# KiCad board Lime_RFE.kicad_pcb (continued)
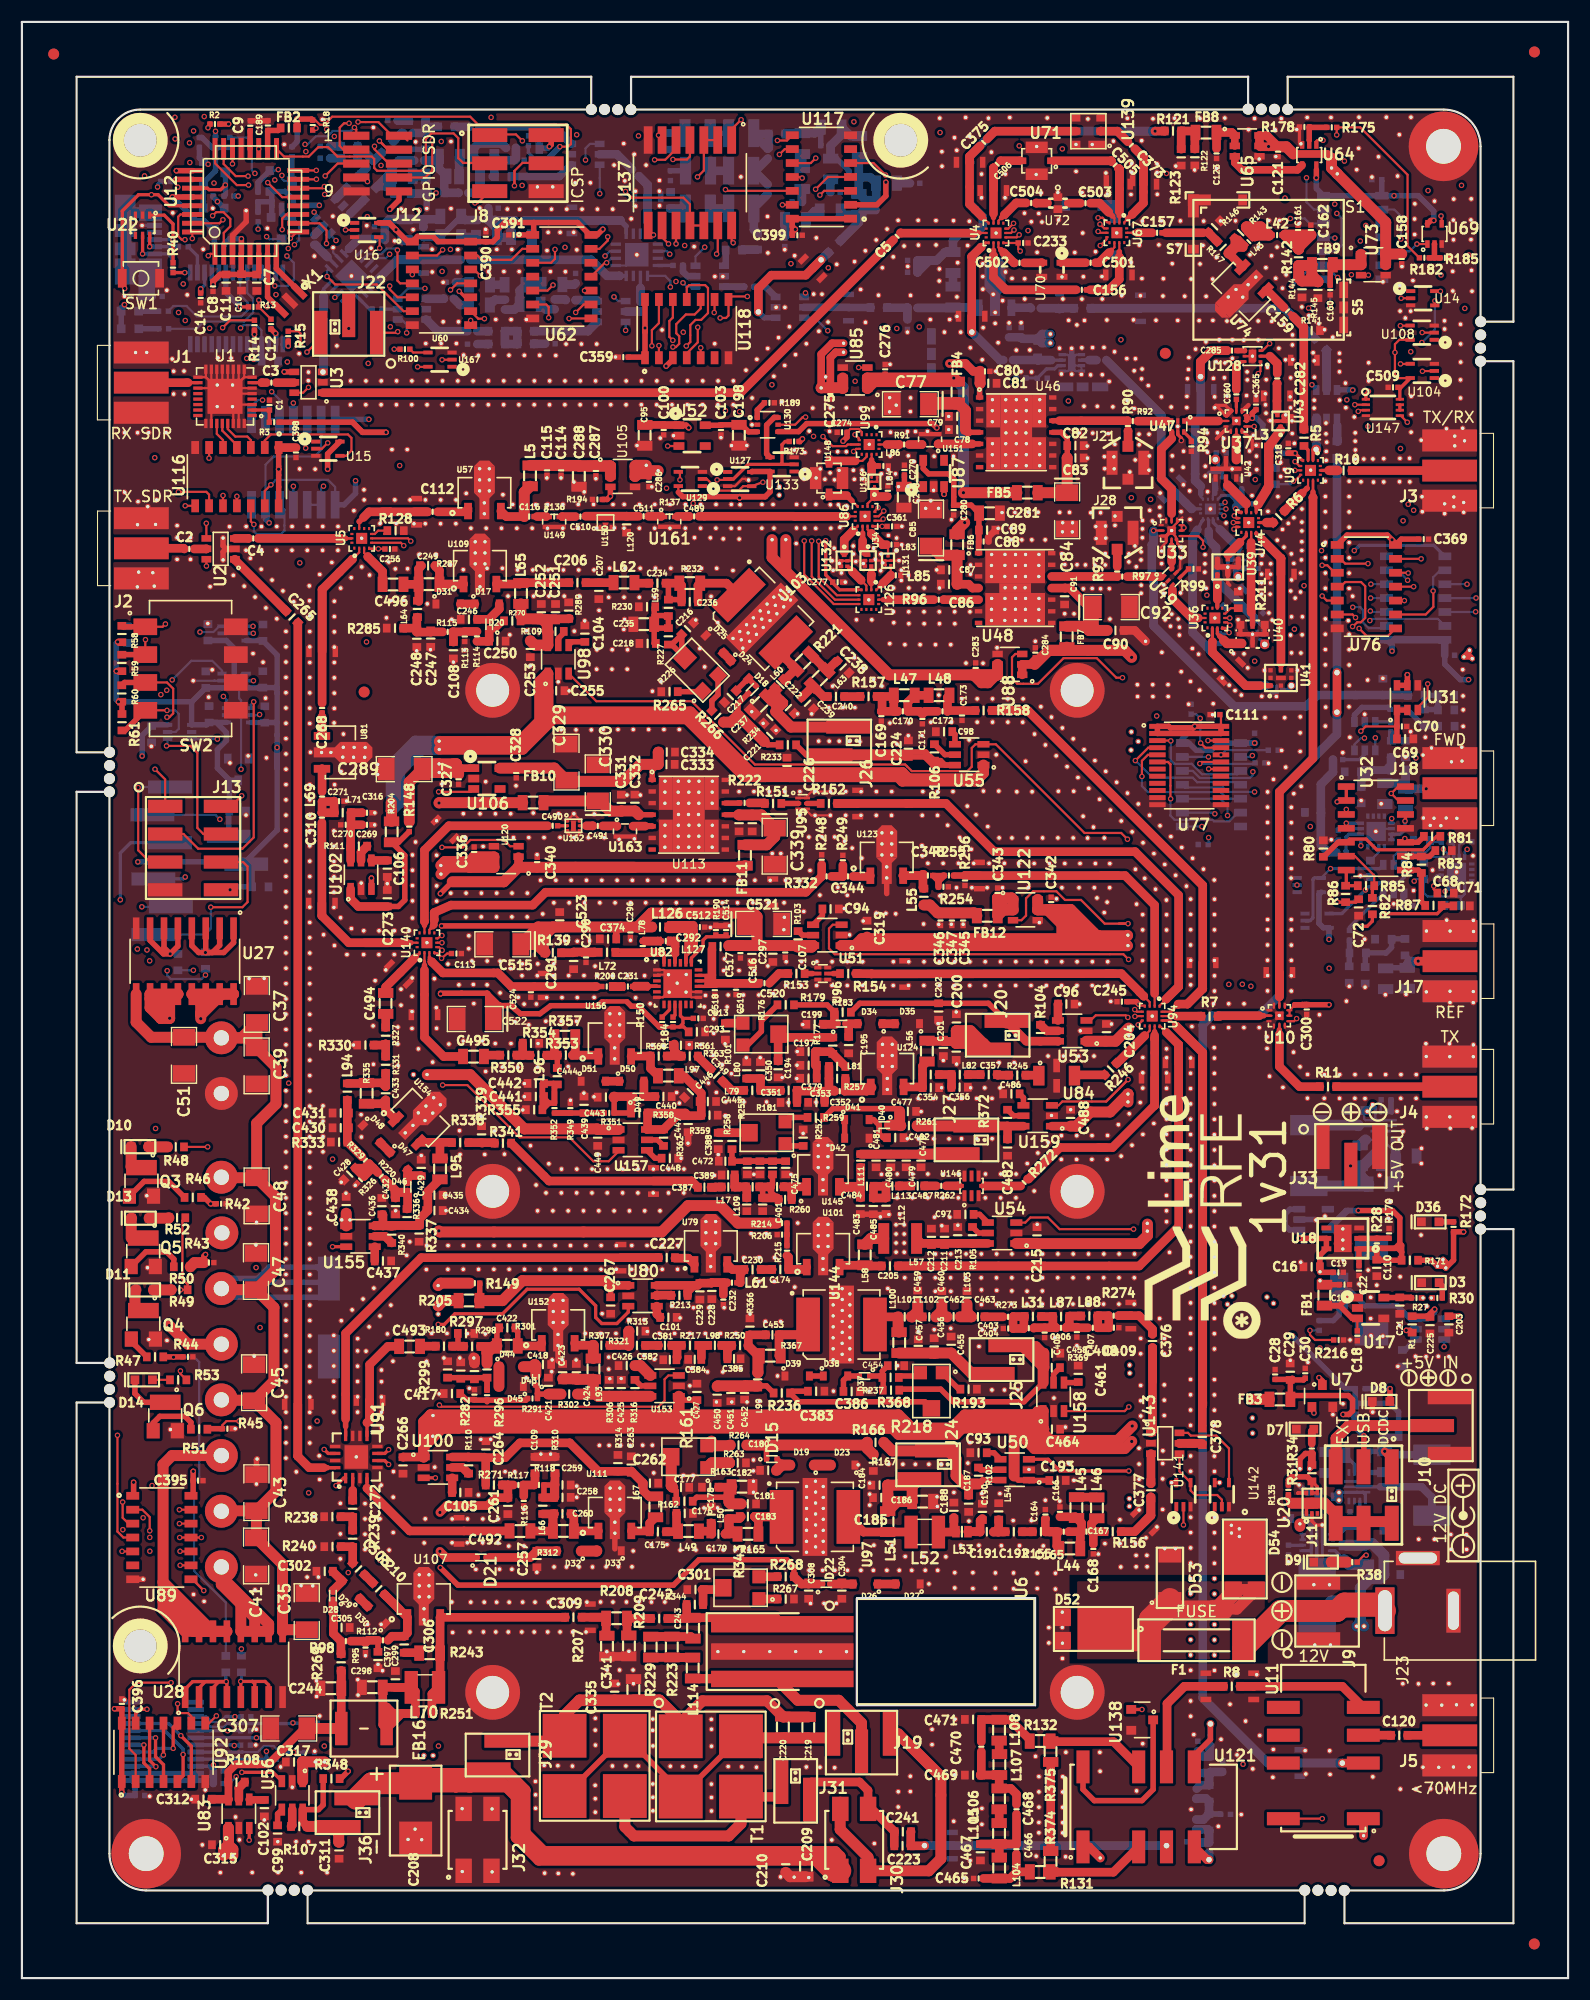
[diagram p0: board, top side]
## Routing (per net, layer and track width the routed paths; a pad name or vN(x,y) marks a point on that pad's centre or on a via; arc(x,y) is an arc through that point) (continued)
/TX_H2/PA_2400_EN_2V5: length 13
  T w0.2: v1(101.61,111.1) 102.78,112.28 U77.4
  B w0.2: v1(101.61,111.1) 103.17,109.55 106.83,109.55 107.25,109.13 110.98,109.13 U75.4
/TX_H2/PA_4000_EN: length 39.9
  T w0.2: 100.78,96.22 100.11,96.22 v1(100.94,96.22) 98.81,96.22 96.65,98.39 95.19,98.39 94.4,99.17 92.28,99.17 91.63,98.53 91.63,96.96 91.21,96.53 U122.3 ; v1(107.49,110.83) 107.64,110.98 U77.19
  SIG1 w0.2: v1(107.49,110.83) 107.49,107.75 102.59,102.85 102.12,102.85 100.94,101.68 v1(100.94,96.22)
  B w0.2: v1(107.49,110.83) 107.52,110.8 112.44,110.8 R164.2
/TX_H2/PA_4000_EN_2V5: length 13.4
  T w0.2: U77.5 102.75,111.63 102.21,111.08 v1(102.21,109.66)
  B w0.2: v1(102.21,109.66) 102.21,108.77 102.75,108.23 109.37,108.23 109.98,107.62 U75.5
/TX_H2/PDRIV30/RF_IN: length 2.1
  T w0.3: U91.2 30.18,45.62 30.18,44.5
  T w0.79: C272.2 30.18,44.5
/TX_H2/PDRIV145/RF_IN: length 15.5
  T w0.3: U91.4 31.49,44.7
  T w0.79: 31.49,44.7 35.38,40.81 C492.1
/TX_H2/PDRIV220/RF_IN: length 11.8
  T w0.3: 31.5,50.7 31.49,50.68 U91.9
  T w0.79: 31.49,50.69 31.73,50.92 ; 31.73,50.92 31.73,55.97 33.4,57.65 C493.1 ; 31.73,50.92 31.73,52.71 P45.2
/TX_H2/PDRIV920/RF_IN: length 5.2
  T w0.2: 36.29,93.43 36.29,93.53 36.12,93.36
  T w0.3: 36.12,93.36 36,93.24
  T w0.5: 35.84,93.08 35.78,93.02 35.78,93.02 36,93.24
  T w0.79: 35.84,93.08 33.2,90.44 C494.1
/TX_H2/PDRIV1000/PRED_VDD: length 17.4
  T w0.5: 53.64,63.21 53.72,63.13 C267.2 ; R205.1 41.78,61.85 R149.2
  T w0.79: 53.64,63.21 U80.1
  T w1: 53.72,63.13 53.21,63.64 45.67,63.64 43.85,61.82 R205.1
/TX_H2/PDRIV1000/RF_IN: length 44.2
  T w0.3: 29.54,50.93 29.54,51.02 ; 29.54,50.33 U91.12
  T w0.5: 29.54,50.93 29.54,50.33
  T w0.79: P2.2 58.09,65.74 C227.2 36.45,65.74 29.54,58.84 29.54,51.02
/TX_H2/PDRIV1280/RF_IN: length 17.6
  T w0.2: 39.13,84.1 C495.1 ; 36.74,92.78 36.74,93.53
  T w0.3: 36.74,92.78 P7.2
  T w0.5: 36.74,92.42 36.74,91.98
  T w0.79: 36.74,91.98 36.74,85.85 38.49,84.1 C495.1
/TX_H2/PDRIV_H_EN: length 98.9
  T w0.5: v1(31.9,100.38) U102.3
  SIG1 w0.2: v1(27.59,21.17) 28.79,22.37 28.79,37.06 30.18,38.45 30.18,43.98 31.34,45.14 31.34,48.9 29.52,50.71 29.52,58.7 31.88,61.06 31.88,62.3 31.55,62.63 31.55,91.37 31.87,91.69 31.87,100.35 v1(31.89,100.38)
  SIG2 w0.2: v1(19.38,21.22) 20,20.6 21.42,20.6 22,21.17 v1(27.59,21.17)
  B w0.2: 19.91,21.22 R174.2
  B w0.3: 15.89,21.29 U78.19 ; U78.19 15.88,21.27 ; U78.19 18.05,21.28 ; U78.19 19.32,21.28 v1(19.38,21.22) 19.42,21.26 R174.2 19.91,21.22
/TX_H2/PDRIV_H_EN_2V5: length 6.8
  T w0.3: 14.19,22.75 U92.10 13.8,22.88 v1(13.8,20.97)
  B w0.3: v1(13.8,20.97) 12.3,20.97 11.96,20.63 U78.5
  B w0.5: 10.07,20.62 U78.5
/TX_H2/PREDRIVER_H/PRED_VDD: length 14.2
  T w0.5: R148.2 34.38,103.65 R204.1 34.94,102.44 34.94,98.37 34.36,97.79 C273.2
  T w0.79: U102.1 30,98.49 30.7,97.79 C273.2
/TX_H2/PREDRIVER_H/RF_OUT: length 26
  T w0.2: 31.31,94.48 36.01,94.48
  T w0.5: 34.69,94.48 35.5,94.48
  T w0.79: 31.31,94.48 33.4,94.48 ; 33.4,94.48 35.09,94.48 ; 33.4,94.48 29.83,94.48 27.37,96.94 ; 27.37,96.94 C310.2 ; 27.37,96.94 27.37,96.94 P112.2
/TX_H2/R_CTRL_2V5: length 96.7
  T w0.3: v1(102.21,24.51) 102.21,24.51 U138.2 ; v1(11.41,24.53) 10.78,24.53 10.38,24.13 U92.13
  T w0.5: U138.2 101.23,24.67
  SIG2 w0.3: v1(11.41,24.53) 20.55,24.53 23.03,22.05 91.68,22.05 92.07,21.67 99.86,21.67 102.21,24.02 v1(102.21,24.51)
/TX_H2/RF_H_IN: length 21.1
  T w0.2: 30.15,129.48 30.78,130.11 30.78,130.43
  T w0.79: 30.15,129.48 30.15,129.47 27.4,126.71 ; 27.4,126.71 27.4,126.71 P109.2 ; 27.4,126.71 C268.1
/TX_H2/RF_IN_435: length 3.9
  T w0.2: 31.57,129.71 31.23,130.05 31.23,130.43
  T w0.79: C496.1 32.91,128.36 31.57,129.71 31.57,129.71
/TX_H2/RF_L_IN: length 93.4
  T w0.1: 26.22,46.58 25.15,47.64 25.15,53.84
  T w0.2: U91.16 27.53,46.58
  T w0.3: 27.87,46.58 U91.16
  T w0.5: 27.53,46.58 27.87,46.58
  T w0.79: 25.18,47.64 25.18,47.62 26.22,46.58 27.53,46.58 ; 25.18,47.64 C265.1 ; 25.18,47.64 25.17,47.64 P110.2
/TX_H2/RF_OUT: length 3.8
  T w0.1: 107.49,87.63 R7.2
  T w0.2: 107.61,87.79 R7.2 ; 104.1,87.79 105.37,87.79
  T w0.79: R7.2 107.61,87.79 105.37,87.79
/TX_H2/RF_OUT_30_70: length 14.6
  T w0.79: 106.08,26.62 104.5,25.04 ; 106.08,26.62 104.5,25.04 ; 106.08,26.62 R8.2 107.98,26.62 ; 104.5,25.04 104.5,20.19
/TX_H2/SW145: length 180.4
  T w0.2: 11.66,40.82 v1(11.66,40.82) 11.66,42.07 10.99,42.74 U89.2 ; v1(106,41.36) U141.2
  SIG1 w0.2: v1(108.28,111.44) 108.59,111.44 109.45,110.58 109.45,86.16 111.03,84.59 111.03,61.28 110.23,60.49 110.23,42.31 109.28,41.36 v1(106,41.36)
  SIG2 w0.2: v1(106,41.36) 104.6,41.36 104.13,41.83 102.87,41.83 100.92,39.87 100.92,39.13 99.63,37.85 56.75,37.85 56.3,38.29 36.9,38.29 35.54,39.65 28.33,39.65 27.17,40.82 v1(11.66,40.82)
  B w0.2: U75.13 105.9,111.44 v1(108.28,111.44)
/TX_H2/SW145_A: length 8.4
  T w0.2: 110.15,45.08 U142.4 110.15,48.34 108.98,49.5 106.66,49.5 106.41,49.76 U143.6
/TX_H2/SW145_B: length 8
  T w0.2: U143.4 105.63,46.24 106.65,45.23 U141.4 ; 106.65,44.89 U141.4 ; U141.4 106.65,44.5 107.06,44.08 109.08,44.08 109.5,43.66 U142.2
/TX_H2/SW_IN_H_V1_2V5: length 121
  T w0.2: v1(38.33,95.14) 37.93,94.88 37.91,94.88 ; v1(14.37,42.74) 14.37,42.74 U89.13 ; v1(13.61,26.96) 10.45,26.96 9.8,26.31 9.8,20.94 10.38,20.36 U92.2
  SIG1 w0.2: v1(13.61,26.96) 13.79,27.14 13.79,31.92 8.65,37.06 8.65,40.92 ; 8.65,40.92 8.65,48.41 9.34,49.1 9.34,50.02 8.86,50.51 8.86,92.23 v1(10.53,93.9) ; 8.65,40.92 9.2,40.92 v1(9.21,40.92)
  SIG2 w0.2: v1(10.53,93.9) 12.39,95.76 29.15,95.76 29.69,96.3 30.54,96.3 30.67,96.18 37.1,96.18 38.14,95.14 v1(38.33,95.14) ; v1(9.21,40.92) 9.21,42.09 9.86,42.74 v1(14.37,42.74)
/TX_H2/SW_IN_H_V2_2V5: length 86.4
  T w0.2: 37.91,94.48 v1(38.33,94.48) ; U89.12 v1(14.37,41.47)
  SIG1 w0.2: v1(11.41,93.82) 11.06,93.47 11.06,73.68 9.95,72.57 9.95,70.08 11.06,68.98 11.06,66.42 10.31,65.66 10.31,56.4 11.06,55.65 11.06,46.23 10.78,45.94 10.78,44.48 11.06,44.2 v1(11.06,42.01)
  SIG2 w0.2: v1(11.41,93.82) 11.78,94.19 27.4,94.19 28.25,95.04 36.13,95.04 36.13,95.04 37.33,95.04 37.88,94.48 v1(38.33,94.48) ; v1(11.06,42.01) 11.6,41.47 v1(14.37,41.47)
/TX_H2/SW_IN_H_V3_2V5: length 105.7
  T w0.2: v1(16.37,40.2) U89.11 v1(14.4,40.2) ; v1(38.35,93.79) 38.06,94.08 37.91,94.08 ; v1(11.66,92.83) 11.66,92.82 11.67,92.81
  SIG1 w0.2: v1(11.66,92.83) 11.63,92.81 11.63,73.28 10.44,72.1 10.44,70.47 11.63,69.28 11.63,66.5 10.84,65.71 10.84,56.58 11.63,55.8 11.63,46.34 11.31,46.02 11.31,44.65 11.63,44.33 11.63,41.53 11.09,40.99 11.09,40.6 11.48,40.21 v1(11.67,40.21)
  SIG2 w0.2: v1(16.38,40.2) 19.06,40.2 21.72,37.54 29.33,37.54 29.93,38.14 v1(32.67,38.14) ; v1(11.67,40.21) 11.68,40.2 v1(14.39,40.2) ; v1(11.66,92.83) 28.3,92.83 29.87,94.4 35.42,94.4 36.03,93.79 v1(38.35,93.79)
  B w0.2: v1(32.67,38.14) 32.65,38.16
/TX_H2/SW_IN_L_V1_2V5: length 24.5
  T w0.2: v1(9.19,43.44) 9.19,42.01 9.72,41.47 U89.3
  T w0.3: v1(28.66,44.94) 29.35,45.63 U91.1
  SIG2 w0.2: v1(9.19,43.44) 10.76,43.44 11.74,44.43 19.55,44.43
  SIG2 w0.3: 19.55,44.43 20.34,43.64 27.36,43.64 v1(28.66,44.94)
/TX_H2/SW_IN_L_V2_2V5: length 39.5
  T w0.2: v1(8.72,49.53) 8.71,49.52 8.71,40.75 9.26,40.2 U89.4
  T w0.3: v1(33.46,46.87) 33.1,47.23 U91.6
  SIG2 w0.2: v1(8.72,49.53) 8.72,49.52 33.27,49.52 34.17,48.63 34.17,47.8 33.46,47.1 v1(33.46,46.87)
/TX_H2/SW_IN_L_V3_2V5: length 35.1
  T w0.2: v1(9.14,38.94) 9.15,38.93 U89.5
  T w0.3: v1(33.46,48.22) 33.12,47.88 U91.7
  SIG2 w0.2: v1(9.14,38.94) 8.92,38.94 8.51,39.36 8.51,43.56 9.4,44.45 10.34,44.45
  SIG2 w0.3: 10.34,44.45 11.43,45.55 19.59,45.55 20.1,46.06 20.1,46.93 21.2,48.03 26.46,48.03 27.25,48.82 28.14,48.82 28.74,48.22 v1(33.46,48.22)
/TX_H2/SW_IN_L_V4_2V5: length 30.3
  T w0.2: v1(14.43,38.95) 14.44,38.93 U89.10 ; v1(11.87,44.95) 11.87,44.95
  T w0.3: v1(27.58,48.24) 27.94,47.88 U91.14
  SIG1 w0.2: v1(11.87,44.95) 12.16,44.66 12.16,39.45 v1(11.67,38.95)
  SIG2 w0.2: 18,45.09 19.94,45.09 21.71,46.86 27.42,46.86 28.09,47.53 28.09,47.89 27.74,48.24 v1(27.58,48.24) ; 18,45.09 17.24,45.09 ; 18,45.09 12.01,45.09 v1(11.87,44.95) ; v1(11.67,38.95) 11.68,38.95 v1(14.43,38.95)
/TX_H2/SW_OUT_V1_2V5: length 40.8
  T w0.2: v1(101.87,87) 102.19,87.32 102.19,87.39 ; v1(112.15,90.51) 112.15,90.51
  SIG1 w0.2: v1(112.33,110.08) 113.16,109.26 113.16,107.79 112.15,106.78 v1(112.15,90.51)
  SIG2 w0.2: v1(112.15,90.51) 110.81,89.17 110.81,88.51 109.84,87.54 104.77,87.54 103.94,86.71 102.48,86.71 102.19,87 v1(101.87,87)
  B w0.2: v1(112.33,110.08) 112.33,109.79 112.06,109.52 107.49,109.52 106.84,110.16 U75.12 106.32,110.16
/TX_H2/SW_OUT_V2_2V5: length 37.3
  T w0.2: v1(101.57,87.76) 101.6,87.79 102.19,87.79
  SIG1 w0.2: v1(112.49,108.24) 111.37,107.13 v1(111.37,90.69)
  SIG2 w0.2: v1(111.37,90.69) 110.16,89.48 108.11,89.48 106.54,87.91 104.24,87.91 103.53,87.2 102.79,87.2 102.23,87.76 v1(101.57,87.76)
  B w0.2: 106.16,108.89 U75.11 106.13,108.66 109.6,108.66 110.02,108.24 v1(112.49,108.24)
/TX_H2/SW_OUT_V3_2V5: length 31
  T w0.2: v1(101.55,88.38) 101.75,88.19 102.19,88.19
  SIG1 w0.2: v1(110.02,106.09) 110.14,105.97 v1(110.14,90.68)
  SIG2 w0.2: v1(110.14,90.68) 108.24,90.68 106.41,88.86 105.46,88.86 104.99,88.38 v1(101.55,88.38)
  B w0.2: v1(110.02,106.09) 110.02,106.96 109.36,107.62 U75.10
/USB_DM: length 2.7
  B w0.3: R39.1 16.02,157.16 U13.16
/USB_DP: length 1.6
  T w0.3: R40.1 v1(14.86,155.63)
  B w0.3: v1(14.86,155.63) 14.87,155.64 U13.15
VCOM: length 135.9
  T w0.5: 23.79,37.76 C41.1 ; C35.1 25.84,31.64 U28.9
  T w1: C48.1 18.25,73.03 J16.8 ; C48.1 23.14,71.32 23.14,64.6 C47.1 ; C48.1 21.42,78.01 23.18,79.77 23.18,83.13 C39.1 ; C47.1 18.3,62.82 J16.6 ; C47.1 23,61.18 23,54.49 C45.1 23.18,50.69 23.18,44.43 C43.1 ; 21.69,52.73 18.23,52.73 J16.4 ; C43.1 18.24,42.64 J16.2 ; C43.1 21.4,40.21 C41.1 23.79,37.76 U28.9 23.93,31.79 C35.1 ; C39.1 21.44,84.92 C37.1 20.04,85.8 J15.2 ; C39.1 20.51,85.8 J15.2 ; J15.2 18.15,85.86 C51.1 11.8,85.86 10.43,87.23 U27.9
  B w0.5: 18.77,63.49 J16.6 ; J16.6 19.13,63.86 21.52,63.86 22.54,64.88 26.95,64.88 C32.1 ; J16.6 21.79,62.92 22.36,63.49 27.68,63.49 ; J16.6 19,62.13 27.33,62.13 28.01,62.81 C32.1 ; C32.1 27.68,63.49 ; C32.1 27.68,63.49
Net-(C1-Pad1): length 2.7
  T w0.3: R3.2 22.57,143.07 C1.1 22.59,143.09 U1.2
Net-(C2-Pad1): length 1.1
  T w0.79: U2.5 16.82,130.42 C2.1
Net-(C2-Pad2): length 7.7
  T w0.2: 11.02,130.48 11.08,130.42 C2.2
  T w0.79: C2.2 14.76,130.48 11.02,130.48
Net-(C3-Pad1): length 3.3
  T w0.5: U3.5 24.8,145.57 23.21,145.57
  T w0.79: C3.1 24.83,145.59
Net-(C3-Pad2): length 1.7
  T w0.3: 22.28,145.59 22.31,145.57 ; C3.2 22.31,145.59 U1.7
  T w0.79: 21.9,145.59 21.9,145.59 C3.2
Net-(C4-Pad1): length 25.5
  T w0.2: 30.05,131.38 30.05,131.38 21.57,131.38 C4.1 30.05,131.38
  T w0.5: 29.53,131.38 29.53,131.38 28.58,131.38
  T w0.79: 29.11,131.38 29.11,131.38 C4.1
Net-(C4-Pad2): length 1.2
  T w0.79: U2.3 C4.2
Net-(C5-Pad1): length 7.9
  T w0.2: 86.9,159.25 86.89,159.25 ; U4.13 87.35,159.25
  T w0.5: 87.35,159.25 86.9,159.25
  T w0.79: 86.88,159.24 86.9,159.25 86.88,159.24 ; 86.88,159.24 80.21,159.24 C5.1
Net-(C5-Pad2): length 57.9
  T w0.79: C5.2 65.58,144.67 U3.1
Net-(C6-Pad1): length 2
  T w0.3: 117.82,138.54 117.82,139.45 117.82,139.46
  T w0.86: TRANS_VIA#4.1 118.1,139.48
  B w0.5: 118.14,140.18 118.14,139.51
  B w0.86: 118.14,139.91 118.14,139.51
Net-(C6-Pad2): length 2.2
  B w0.5: 118.14,141.08 118.14,142.33
  B w0.86: 118.14,141.36 118.14,142.33
Net-(C9-Pad2): length 1.7
  T w0.5: C9.2 20.82,168.57 U12.20
Net-(C12-Pad2): length 1.6
  T w0.5: v1(23.15,150.08) 22.75,150.48 C12.2
  B w0.5: v1(23.15,150.08) 23.16,150.07 U13.2
Net-(C14-Pad1): length 2
  T w0.5: v1(16.31,154.14) C14.1
  B w0.3: v1(16.31,154.14) 16.66,154.5 U13.17
Net-(C17-Pad1): length 1
  B w0.3: C17.1 122.1,42.55 U19.9
Net-(C18-Pad1): length 8
  T w0.2: U17.3 121.86,60.18 C18.1
  T w0.5: 120.23,61.37 120.97,62.1 U17.1 ; 120.23,61.37 FB1.2 120.23,61.37 ; 120.23,61.37 121.4,60.2 U17.3
Net-(C21-Pad2): length 5.1
  T w0.2: C21.2 125.72,62.1 U17.5
  T w0.5: U17.5 126.77,62.1 R27.2 126.76,62.12 C21.2
Net-(C24-Pad1): length 1.3
  B w0.3: C24.1 115.6,39.5 U21.9
Net-(C26-Pad2): length 17.4
  B w0.3: U21.6 119.48,39.5 R32.2 ; 122.55,39.5 R36.2
  B w1: C26.2 124.28,38.6 123.23,39.65 R36.2 122.55,39.5 R32.2 ; C26.2 123.94,36.47 ; C26.2 123.94,36.47 ; 123.94,36.47 123.02,36.47 122.14,35.6 R37.2 119.52,34.42 118.2,33.1 L2.1
Net-(C31-Pad1): length 21.4
  B w0.5: 12,155.96 11.79,156.17 ; 11.95,155.96 CON1.6 ; CON1.6 10.88,155.33 C31.1 ; CON1.6 11.89,156.02 R41.1
  B w0.7: CON1.6 11.32,155.77 11.32,154.03 R41.1 10.89,153.46 C31.1
  B w1: 11.79,156.17 9.94,156.17 9.49,155.73 9.49,161.55 9.94,161.1 11.79,161.1
Net-(C52-Pad1): length 5.8
  B w0.5: R67.1 125.02,94.83 R70.1 124.99,94.05 124.49,93.55 R73.2 122.58,93.48 C52.1
Net-(C53-Pad1): length 5.2
  B w0.5: 127.96,115.78 128.01,115.73 ; 129.21,117.04 R71.1 129.19,117.06 R68.2 127.98,117.05 R74.2 129.18,115.76 C53.1 129.21,117.04
Net-(C54-Pad1): length 7.7
  B w0.7: 123.23,110.24 122.22,109.23 C54.1 122.22,110.08 R72.1 122.36,110.24 123.23,110.24 ; 123.23,110.24 R69.1
  B w0.79: R75.2 124.95,111.39 R69.1 124.71,110.47 ; C54.1 122.22,108.8
Net-(C55-Pad1): length 2.4
  B w0.5: C58.1 121.15,94.7 R73.1 121.13,93.53 C55.1
Net-(C56-Pad1): length 4.1
  B w0.5: C56.1 129.21,114.26 R74.1 127.92,114.26 126.4,115.78 C59.1
Net-(C57-Pad1): length 2.1
  B w0.5: C57.1 R75.1 124.92,112.96 C60.1
Net-(C58-Pad2): length 4.7
  B w0.3: C58.2 121.14,95.9 U30.3
Net-(C59-Pad2): length 4.2
  B w0.5: C59.2 124.68,115.96 122.29,115.96 121.6,115.27 U29.1
Net-(C60-Pad2): length 1.4
  B w0.3: C60.2 124.89,114.63 U29.3
Net-(C61-Pad1): length 2.6
  B w0.3: U29.5 122.55,111.69 122.05,111.2 C61.1
Net-(C61-Pad2): length 9.9
  B w0.79: C63.1 119.21,102.74 118.53,103.42 118.53,108.93 119.64,110.04 C61.2
Net-(C62-Pad1): length 1.9
  B w0.2: U30.5 125.19,102.4 125.53,102.74 C62.1
Net-(C62-Pad2): length 3.5
  B w0.2: 129.49,103.63 C65.1 128.64,103.67 R77.1 128.49,103.12 128.12,102.74 C62.2
Net-(C63-Pad2): length 2.8
  B w0.3: IC1.2 121.1,104.39 120.83,104.12 C63.2
Net-(C64-Pad2): length 2.1
  B w0.3: IC1.3 122.18,104.89 120.09,104.89
Net-(C65-Pad2): length 1.5
  B w0.2: C65.2 130.66,103.43 IC2.2
Net-(C66-Pad2): length 1.5
  B w0.2: C66.2 131.16,103.43 IC2.3
Net-(C67-Pad2): length 1.6
  B w0.2: C67.2 123.83,102.75 IC1.14
Net-(C68-Pad2): length 2.5
  T w0.2: 129.04,99.14 C68.2 128.84,99.35 v1(128.84,99.65)
  B w0.2: v1(128.84,99.65) 128.84,100.38 129.12,100.66 IC2.14
Net-(C73-Pad2): length 1.4
  B w0.3: 97.38,147.65 U45.2
  B w0.79: C73.2 97.38,147.65
Net-(C76-Pad1): length 4.8
  B w0.3: U45.7 93.93,147.65 ; 92.74,147.65 92.69,147.7 92.74,147.65
  B w0.79: 92.69,147.7 92.65,147.66 C76.1 ; 92.69,147.7 92.74,147.65 ; 92.69,147.7 92.74,147.65 ; 92.69,147.7 92.74,147.65 ; 92.74,147.65 93.93,147.65
Net-(C77-Pad1): length 11.7
  T w0.5: C78.1 86.35,141.06 U46.4
  T w0.79: 86.35,141.06 C78.1 C79.1
  T w1: 86.1,143.05 FB4.1 ; 86.1,143.05 C78.1 ; 86.1,143.05 C79.1 ; FB4.1 85.2,143.63 C77.1 82.89,143.79 FB4.1
Net-(C82-Pad1): length 9.2
  T w0.5: U46.11 94.84,141.06 95.39,140.5 C82.1 95.39,138.72 C83.1
  T w1: 95.39,138.72 C83.1 95.39,135.55 C84.1 FB5.1
Net-(C85-Pad1): length 8.8
  T w0.79: C87.1 85.36,128.49 C86.1 86.39,127.2 86.74,126.85 U48.4
  T w1: C86.1 85.34,127.22 FB6.1 83.79,129.85 C85.1
Net-(C90-Pad1): length 18.3
  T w0.6: 95.2,126.85 95.2,126.85
  T w0.79: 95.2,126.85 95.2,126.85 U48.11 ; C91.1 95.63,126.85 97.37,125.11 97.37,122.93
  T w1: 97.39,122.98 97.31,123.07 97.37,123.12 ; 97.39,122.98 97.77,123.36 C92.1 97.37,124.71 97.37,123.12 ; 97.39,122.98 C90.1 ; 97.37,123.12 97.13,123.36 FB7.1 ; 97.37,123.12 97.37,125.05 ; 97.37,124.77 97.37,123.21
Net-(C93-Pad1): length 1.5
  T w0.5: U50.4 88.7,47.94 C93.1
Net-(C94-Pad1): length 1.8
  T w0.5: C94.1 73.05,96.97 U51.4
Net-(C96-Pad1): length 1.5
  T w0.79: C96.1 94.55,88.87 U53.4
Net-(C97-Pad1): length 1.6
  T w0.5: U54.4 87.4,69.69 C97.1
Net-(C98-Pad1): length 1.3
  T w0.5: C98.1 85.15,113.5 U55.4
Net-(C99-Pad1): length 1.6
  T w0.5: U56.4 23.33,14.98 C99.1
Net-(C101-Pad1): length 1.2
  T w0.79: U80.4 57.94,60.6 C101.1
Net-(C102-Pad1): length 1.4
  T w0.7: U83.4 20.79,16.26 C102.1
Net-(C103-Pad1): length 5
  T w0.5: U130.3 66.31,141.1 65.67,141.74 63.82,141.74 63.78,141.71 U52.5
Net-(C104-Pad1): length 1.7
  T w0.5: U98.4 50.2,121.94 51.5,121.94
Net-(C105-Pad1): length 1.3
  T w0.79: C105.1 39.26,44.32 U100.4
Net-(C106-Pad1): length 1.4
  T w0.79: U102.4 C106.1
Net-(C107-Pad1): length 118.2
  T w0.2: 53.08,89.23 55.26,89.23 55.31,89.18 55.31,89.08 ; 53.08,89.23 52.93,89.08 ; 53.08,89.23 52.92,89.23 52.43,88.74
  T w0.3: 60.32,87.58 60.09,87.81 60.09,88.9 ; 60.32,87.58 C513.1 ; 60.32,87.58 60.32,87.12 60.01,86.8 ; 60.01,86.8 R184.2 R150.2 58.17,86.8 56.28,88.69 55.62,88.69 55.23,89.08 ; 60.01,86.8 60.4,86.8 C293.1 ; 55.23,89.08 52.93,89.08 52.6,88.74 ; 55.23,89.08 55.31,89.08 ; C107.1 69.48,94.22 65.8,94.22 C517.1 66.39,93.99 C516.1 ; 47.75,93.6 47.47,93.88 47.46,95.61 48.91,95.61 C523.1
  T w0.5: 55.58,95.92 C296.1 ; 47.74,95.19 47.74,95.61 47.33,96.02 v1(38.3,96.02) ; 52.93,89.08 52.6,88.74 48.26,88.74 47.27,88 45.49,88 44.73,88.63 44.73,88.76 43.66,88.74 43.59,88.81 ; 55.23,89.08 55.62,88.69 56.28,88.69 58.17,86.8 R150.2 ; 42.45,89.88 40.13,89.88 40.12,89.87 38.21,89.87 v1(38.21,89.82) ; 42.45,89.88 43.59,88.74 43.59,88.81 ; 42.45,89.88 42.51,89.82 ; 43.59,88.81 43.02,88.24 C522.1 42.51,88.03 42.51,89.82 ; 42.94,89.12 42.51,89.82
  T w0.6: 54.24,94.74 54.24,95.52 54.64,95.92
  T w0.7: C296.1 55.58,95.92 L126.1 ; 47.74,95.19 47.75,93.6 ; C522.1 42.94,89.12
  T w0.79: 70.82,94.08 72.06,94.08
  T w1: 70.82,94.08 72.06,94.08 U51.6 ; 67.09,94.22 U51.6 ; 67.09,94.22 67.09,96.87 66.77,97.19 57.45,97.19 56.18,95.92 ; 67.09,94.22 65.69,94.22 65.68,94.23 64.5,94.23 ; U51.6 72.12,94.14 ; 56.18,95.92 48.47,95.92 ; 56.18,95.92 L126.1 ; 47.75,93.6 46.97,94.34 C515.1 ; 48.47,95.92 46.89,94.34 C515.1 ; 48.47,95.92 47.11,95.92 C515.1
  SIG1 w0.3: 39.71,91.84 39.69,91.83
  SIG1 w0.5: 39.71,91.84 39.72,94.99 38.41,96.02 v1(38.3,96.02) ; v1(38.21,89.82) 38.92,91.06 39.68,91.83 39.69,91.83
Net-(C108-Pad1): length 3.2
  T w0.79: R114.1 40.43,122.89 40.39,122.85 R115.2 39.38,122.85 C108.1
Net-(C109-Pad1): length 3.1
  T w0.79: C109.1 46.82,45.08 R118.2 R117.1 45.8,44.95 R116.2
Net-(C110-Pad1): length 25.9
  T w0.5: R28.2 123.6,66.55 U18.1 122.01,66.53 C22.1 ; R28.2 124.09,66.6 ; R28.2 C110.1 123.69,65.51 R171.2 125.91,66.26 ; 125.74,67.03 125.74,69.37 125.07,70.04 v1(121.96,70.04) ; 125.74,67.03 125.31,66.6 124.09,66.6 ; 125.74,67.03 125.91,66.87 125.91,66.26 ; 124.09,66.6 125.57,66.6 125.91,66.26
  B w0.5: 120.83,70.04 119.17,68.39 U112.5 119.23,68.27 121.01,70.04 v1(121.96,70.04) 120.83,70.04
Net-(C112-Pad2): length 2.8
  T w0.79: U57.1 40.64,133.81 C112.2 ; 40.7,134.11 40.71,134.1
Net-(C114-Pad1): length 17.3
  T w0.5: L5.1 46.39,138.03 48.34,138.03 ; C114.1 49.24,137.99
  T w1: 48.34,138.03 48.33,138.04 L5.1 ; U105.1 53.68,138 51.7,138 ; U105.1 50.85,137.98 C288.1 ; U105.1 U105.2 ; C288.1 50.79,138.04 C115.1 C114.1 49.24,137.99 C288.1 ; C288.1 52.37,137.99 C287.1
Net-(C116-Pad1): length 5.3
  T w0.79: U57.3 44.21,133.37 C116.1
  T w1: L5.2 45.84,135.6 C116.1
Net-(C117-Pad2): length 4.8
  B w0.79: TRANS_VIA#8.1 27.53,146.62 C117.2
Net-(C118-Pad1): length 11.2
  B w0.3: 32.52,155.04 U58.9
  B w0.79: 32.52,155.04 32.52,155.06 34.26,156.8 34.29,156.8 ; 34.29,156.8 36.65,156.8 P79.2 ; 34.29,156.8 C118.1
Net-(C118-Pad2): length 14.8
  B w0.3: U59.4 54.54,155.34
  B w0.79: 54.54,155.34 54.54,155.35 53.39,155.35 51.93,156.8 C118.2
Net-(C119-Pad1): length 1.9
  B w0.6: C119.1 60.32,155.73 60.73,155.31 U61.5
Net-(C119-Pad2): length 1.4
  B w0.3: C119.2 59.42,156.29 U59.16
Net-(C120-Pad1): length 6.3
  T w0.79: J5.1 130.23,22.22 J5.1 ; J5.1 C120.1 ; 130.93,22.33 128.64,22.33
Net-(C120-Pad2): length 2.5
  T w0.79: C120.2 124.93,22.16 U11.4
Net-(C122-Pad1): length 1.8
  B w0.79: C122.1 92.03,152.44 U66.1
Net-(C122-Pad2): length 3.1
  B w0.79: C122.2 94.61,152.39 R120.2 94.74,152.38 R119.1
Net-(C123-Pad1): length 4.2
  T w0.5: 110.66,168.13 U65.1
  T w0.7: U65.1 U65.2
  T w0.79: U65.1 110.4,168.42 FB8.2 109.02,168.42 C123.1
Net-(C124-Pad2): length 40.9
  T w0.79: v1(103.41,168.54) 104.28,168.54 R121.1
  B w0.79: 99.89,168.54 103.41,168.54 ; 103.41,168.54 v1(103.41,168.54) ; 103.41,168.54 v1(103.41,168.54) ; 103.41,168.54 v1(103.41,168.54) ; v1(103.41,168.54) 88.78,168.54 86.52,166.29 86.52,161.88 87.68,160.73 87.68,159.85 87.05,159.22 85.62,159.22 84.97,158.57 L6.1 84.24,157.51 83.48,156.75 ; 83.48,156.75 82.53,156.75 82.8,156.75 81.73,155.68 C125.2 81.73,155.67 C124.2 83.48,156.75
Net-(C126-Pad1): length 2.9
  B w0.79: R124.2 80.81,152.41 C126.1 80.8,152.43 R125.2
Net-(C126-Pad2): length 5.7
  B w0.79: 87.28,152.42 U66.3 ; U66.3 87.29,152.44 ; U66.3 87.28,152.45 L7.2 ; 84.94,152.43 L7.2 ; L7.2 84.93,152.42 C126.2
Net-(C127-Pad1): length 1.5
  B w0.79: L9.2 69.64,158.93 C127.1
Net-(C128-Pad1): length 8.5
  B w0.79: C130.2 76.38,166.14 L12.2 ; C130.2 77.42,164.34 L11.1 77.95,162.29 C128.1 76.95,162.24 L10.1 76.38,164.33 C130.2
Net-(C128-Pad2): length 6.6
  B w0.79: C128.2 76.82,161.34 L10.2 ; L10.2 75.06,160.91 L8.1 ; L10.2 76.38,160.23 R126.1
Net-(C129-Pad1): length 1.2
  B w0.79: C129.1 79.87,163.79 L11.2
Net-(C130-Pad1): length 8
  B w0.5: C130.1 75.48,164.9 74.34,166.04 L13.1
  B w0.79: L12.1 75.62,168.09 L14.2 74.81,168.23 C132.2 73.8,166.05 L13.1
Net-(C131-Pad1): length 1.2
  B w0.79: C131.1 73.77,164.11 L13.2
Net-(C132-Pad1): length 5.2
  B w0.5: L14.1 72.9,168.9 C132.1
  B w0.79: C134.2 69.73,168.35 L15.1 72.35,168.35 L14.1
Net-(C133-Pad1): length 1.2
  B w0.79: C133.1 71.18,163.24 L16.2
Net-(C134-Pad1): length 4.7
  B w0.79: 66.79,168.23 L18.1 66.87,168.28 C134.1 68.15,167.04 C136.2 66.79,168.23
Net-(C135-Pad1): length 1.3
  B w0.5: L19.2 60.51,168.37 C135.1
Net-(C136-Pad1): length 3.5
  B w0.79: C138.2 66.8,164.93 L21.1 66.95,164.93 C136.1
Net-(C137-Pad1): length 1.4
  B w0.5: C137.1 59.18,164.93 L22.2
Net-(C138-Pad1): length 4.2
  B w0.79: C140.2 66.79,159.56 L24.1 66.79,161.53 C138.1
Net-(C139-Pad1): length 1.3
  B w0.79: C139.1 59.21,161.48 L25.2
Net-(C140-Pad1): length 1.4
  B w0.79: C140.1 65.76,157.73 R127.2
Net-(C141-Pad1): length 2.6
  B w0.3: 26.78,158.16 C141.1 ; U58.2 27.89,157.06
  B w0.79: C141.1 26.78,158.16 27.89,157.06
Net-(C141-Pad2): length 1.1
  B w0.79: U38.5 27.47,159.84 C141.2
Net-(C142-Pad1): length 1.6
  B w0.3: C142.1 31.71,152.31 U58.12
Net-(C142-Pad2): length 1.4
  B w0.3: U93.5 32.87,152.3 C142.2
Net-(C143-Pad1): length 3.5
  B w0.79: C143.1 54.3,166.43 U134.5
Net-(C143-Pad2): length 10.8
  B w0.3: 57.1,160.37 57.1,159.2 U59.12
  B w0.79: 57.1,162.03 57.1,160.37 ; 57.1,163.63 C143.2 57.1,163.63 ; 57.1,163.63 57.1,160.27 57.1,162.54 P90.2
Net-(C144-Pad1): length 1.4
  B w0.79: C144.1 56.44,152.08 U135.5
Net-(C144-Pad2): length 2.4
  B w0.3: U59.2 56.44,154.22
  B w0.79: C144.2 56.44,154.22
Net-(C145-Pad2): length 1
  B w0.79: L115.2 C145.2
Net-(C146-Pad1): length 1.3
  B w0.79: C146.1 40.8,168.94 L20.2
Net-(C147-Pad1): length 1
  B w0.79: L23.2 34.31,169.51 C147.1
Net-(C148-Pad1): length 1.5
  B w0.79: L32.2 47.78,152.29 C148.1
Net-(C148-Pad2): length 1
  B w0.79: C497.2 49.57,153.19 C148.2
Net-(C149-Pad1): length 1.3
  B w0.79: L34.2 40.57,154.76 C149.1
Net-(C150-Pad1): length 1.3
  B w0.79: C150.1 50.41,154.55 L35.2
Net-(C151-Pad1): length 1.6
  B w0.79: L36.2 43.18,153.17 C151.1
Net-(C151-Pad2): length 5
  B w0.79: L35.1 47.4,154.53 L33.1 45.42,154 L32.1 44.95,152.27 C151.2
Net-(C152-Pad1): length 8.5
  B w0.79: C153.2 43.34,159.63 L38.2 44.61,158.84 L37.1 44.63,160.06 C499.2 43.24,160.41 43.21,160.44 C153.2 ; C153.2 42.55,160.45 ; C153.2 42.57,160.48 C152.1
Net-(C153-Pad1): length 8.6
  B w0.5: 40.09,160.78 38.2,158.89 L39.1 38.22,158.89 L40.2
  B w0.79: 40.09,160.78 40.43,160.44 C153.1 ; C154.2 36.64,158.89 L39.1
Net-(C154-Pad1): length 8.4
  B w0.5: 33.52,160.5 33.07,160.06 C155.1
  B w0.79: 38.18,160.78 37.91,160.5 36.63,160.5 ; 36.63,160.5 L41.1 33.52,160.5 33.12,160.11 33.12,158.62 ; 36.63,160.5 36.63,159.79 C154.1
Net-(C156-Pad1): length 14
  T w0.2: 99.19,154.07 100.15,155.02 100.15,158.32
  T w0.5: 99.19,154.07 100.15,155.02 100.15,157.53 ; 97.1,154.07 97.49,154.07
  T w0.79: 100.15,157.05 100.14,157.05 100.14,155.02 99.19,154.07 97.49,154.07
Net-(C157-Pad1): length 2.3
  T w0.2: 100.87,159.27 101.49,159.27
  T w0.5: 101.81,159.27 101.49,159.27
  T w0.79: 101.81,159.27 C157.1
Net-(C159-Pad1): length 2.3
  T w0.79: U74.1 113.61,154.02 C159.1
Net-(C160-Pad1): length 5.5
  T w0.5: FB9.2 119.39,156.11 C160.1
  T w1: 119.64,156.34 FB9.2 ; FB9.2 119.64,156.34 ; FB9.2 U73.2 U73.1
Net-(C161-Pad2): length 8.7
  T w0.5: C161.2 116.44,159.06 L42.1
  T w1: C161.2 116.44,159.06 115.29,159.06 116.51,157.84 R142.1 ; C161.2 116.51,159.02 R142.1 ; C161.2 C162.2 116.51,157.95 R142.1
Net-(C164-Pad1): length 5.5
  T w0.79: L44.2 94.44,39.43 94.44,40.74 94.43,40.72 ; 94.43,40.72 93.75,40.72 R155.1 C165.2 ; 94.43,40.72 93.39,40.72 93.39,41.88 93.42,41.91